# Altium PCB Terra.PcbDoc (part 3 of 7)
Units mm, origin at the board's own origin, x right, y up, seen from the top; angles counter-clockwise.
Board outline 126 x 65 mm, 6 copper layers (Top Layer, Int1 (Sign), Int2 (GND), Int3(PWR), Int4(Sign), Bottom Layer), stack 2.348 mm thick; 559 components, 490 nets, 2466 pads, 1027 vias.
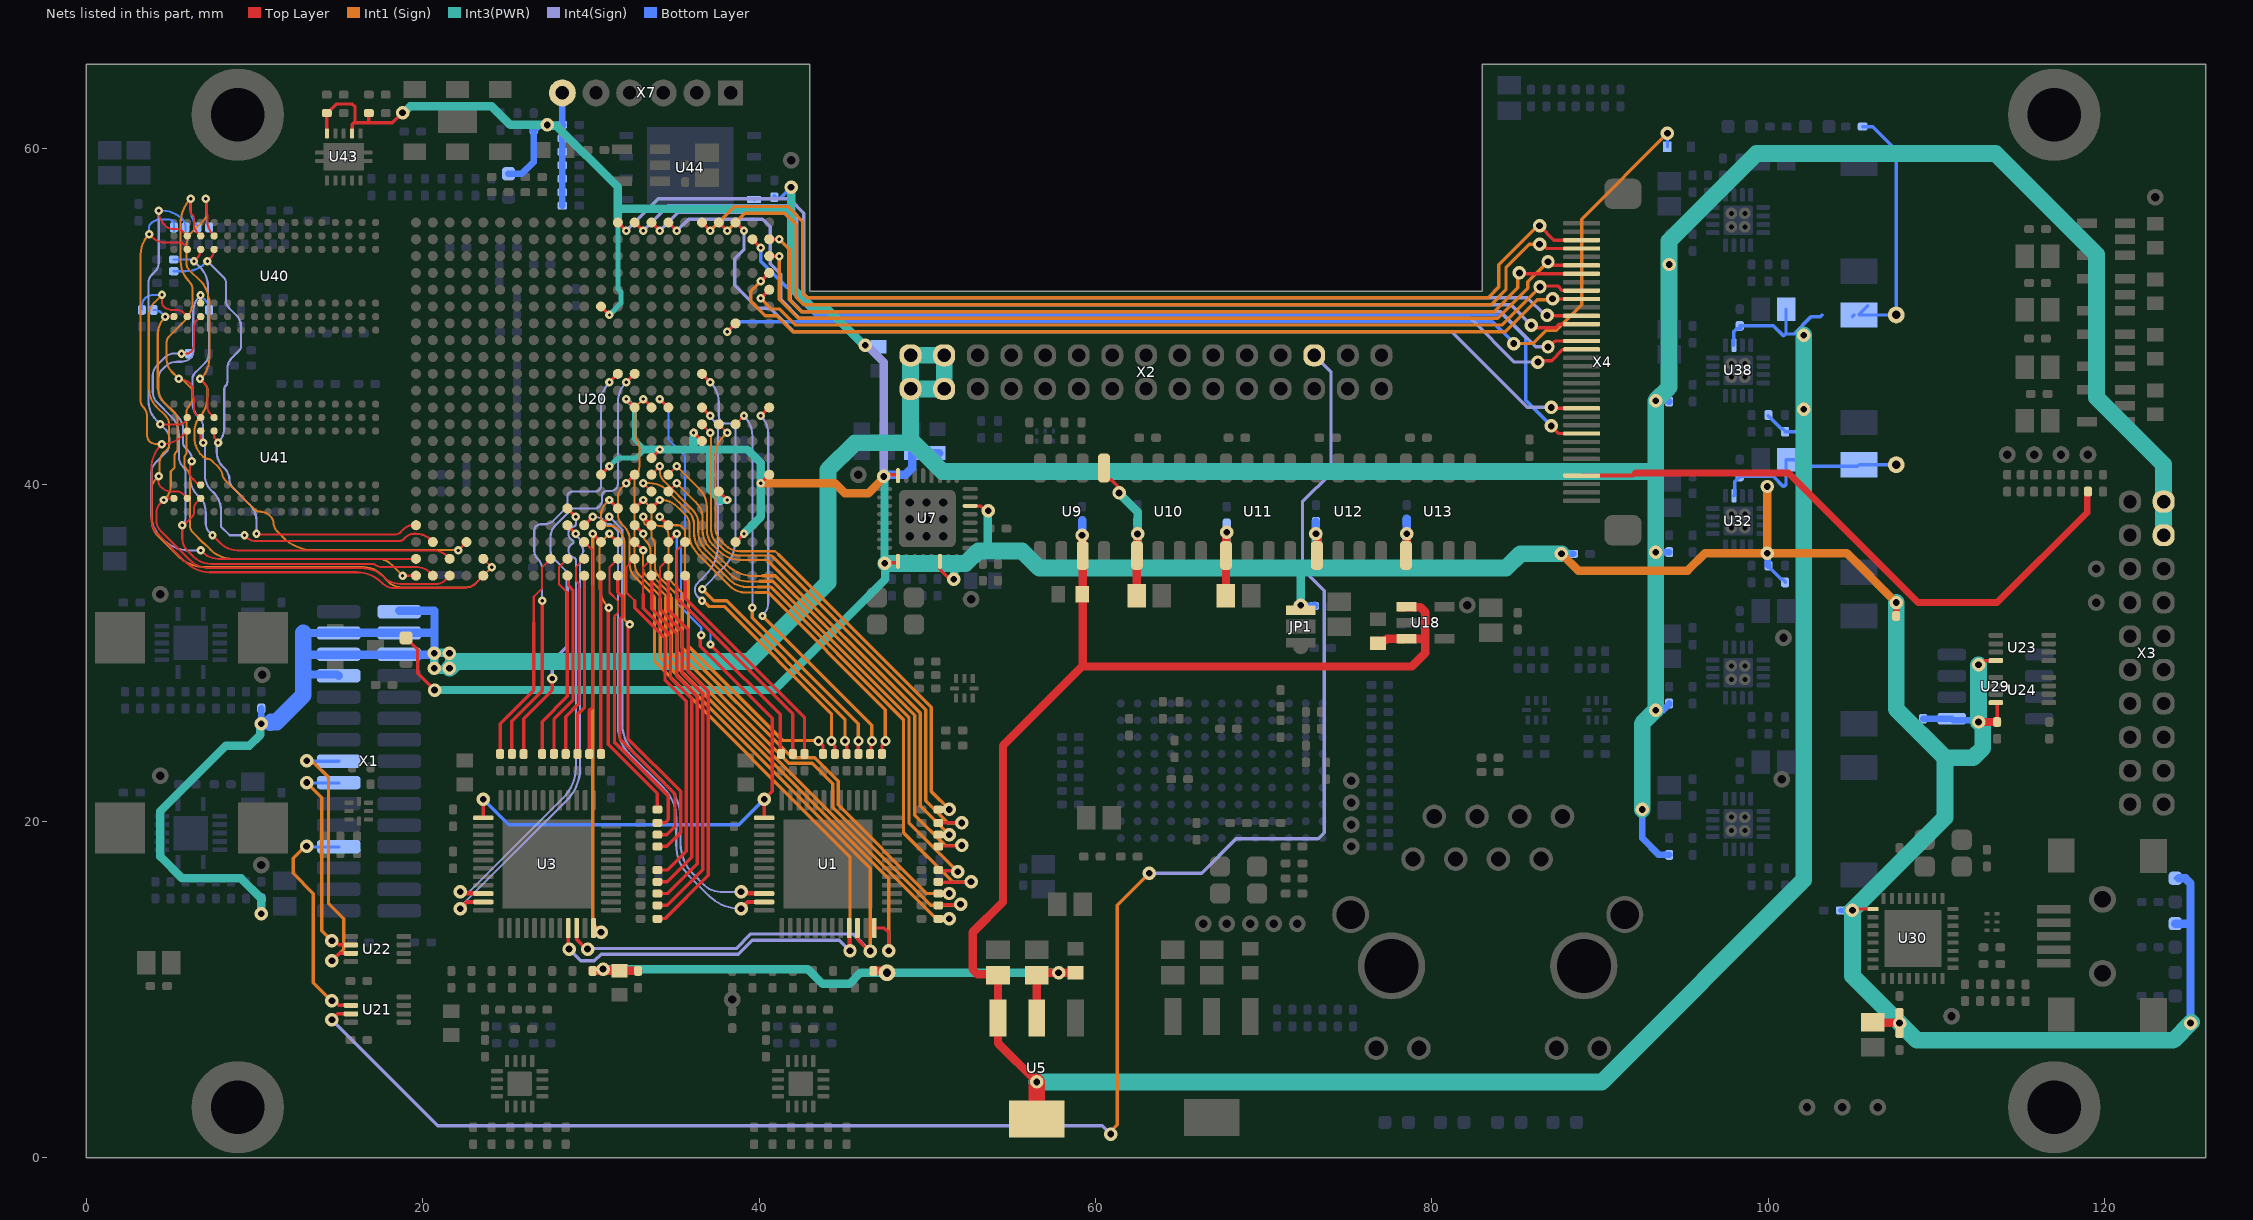
[diagram p7: the nets of this part, all layers, seen from the top]

## Via types
v1: diameter 0.5/0.5/0.5/0.5/0.5/0.5 (per signal layer), hole 0.2, Top Layer to Bottom Layer, tented both sides, 471 vias
v2: diameter 0.8, hole 0.4, Top Layer to Bottom Layer, tented both sides, 402 vias
v3: diameter 0.5/0.5/0.5/0.3/0.5/0.5 (per signal layer), hole 0.2, Top Layer to Bottom Layer, tented both sides, 87 vias
v4: diameter 0.9, hole 0.4, Top Layer to Bottom Layer, 32 vias
v5: diameter 0.6, hole 0.3, Top Layer to Bottom Layer, tented both sides, 26 vias
v6: diameter 0.6/0.6/0.6/0.6/0.6/0.6 (per signal layer), hole 0.3, Top Layer to Bottom Layer, tented both sides, 3 vias
v7: diameter 0.5/0.3/0.5/0.5/0.5/0.5 (per signal layer), hole 0.2, Top Layer to Bottom Layer, tented both sides, 3 vias
v8: diameter 0.8/0.8/0.8/0.5/0.8/0.8 (per signal layer), hole 0.4, Top Layer to Bottom Layer, tented both sides, 2 vias
v9: diameter 0.8/0.8/0.8/0.8/0.8/0.8 (per signal layer), hole 0.4, Top Layer to Bottom Layer, tented both sides, 1 vias

## Nets (pads, with @x,y where several pads share a name; then routed paths per layer and width w, separated by ;. In a path a pad name is that pad's centre, name@x,y a point inside that pad or via, vN(x,y) a via of type N, cw(c..) or ccw(c..) an arc to the next point about the centre after c; other vN are vias at no path point) (continued)
+3.3V: C41.1 C42.2 C43.2 C52.1 C53.1 C57.1 C58.1 C59.1 C60.1 C116.1 C117.1 C158.1 C159.2 C167.2 C208.1 C209.1 C210.1 C211.1 C212.1 C213.1 C214.1 C215.1 C216.1 C217.1 C218.1 HL5.1 HL6.1 HL10.1 HL11.1 JP1.3 L7.1 L14.1 R119.2 R126.1 R127.1 R192.1 R196.1 R203.1 R204.2 R205.2 R206.2 R207.1 R208.1 TP25.1 U7.6 U7.16 U7.25 U7.30 U9.5 U10.1 U11.1 U12.1 U13.1 U20.F12 U20.M14 U20.P18 U20.R15 U20.T12 U20.T22 U20.U19 U20.Y20 U23.8 U24.8 U29.1 U30.1 U32.14 U43.7 U43.10 U44.8 X7.6 | length 353.5
  Top Layer w0.2: U43.10@14.3,60.925 R196.1@14.3,61.925 ; R196.1@14.35,62.125 14.364,62.125 14.49,62.251 14.49,62.265 14.865,62.64 15.818,62.64 15.975,62.483 15.975,61.525 ; U43.7@15.8,60.925 15.8,61.425 15.9,61.525 15.975,61.525 ; R192.1@16.8,62.025 16.8,61.525 ; v2(18.8,62.125) 18.2,61.525 16.8,61.525 ; HL10.1@19,30.9 19.7,30.2 19.7,28.8 v2(20.7,27.8) ; U20.T12@30.6,40.6 v1(31.1,41.1) ; U20.F12@30.6,50.6 v1(31.1,50.1) ; v1(32.1,45.1) U20.M14@32.6,44.6 ; U20.R15@33.6,41.6 v1(34.1,42.1) ; v1(36.1,43.1) U20.P18@36.6,42.6 ; U20.U19@37.6,39.6 v1(38.1,39.1) ; U20.Y20@38.6,36.6 v1(39.1,37.1) ; v1(40.1,40.1) U20.T22@40.6,40.6 ; v2(47.4,40.5) 47.4,40.58 47.42,40.6 48.129,40.6 48.229,40.5 48.252,40.523 U7.16@48.252,40.548 ; v2(47.47,35.34) 47.49,35.36 48.229,35.36 48.252,35.383 U7.25@48.252,35.452 ; U7.30@50.749,35.452 50.759,35.443 50.759,34.959 51.336,34.382 v2(51.563,34.382) ; U7.6@52.548,38.749 52.557,38.74 53.186,38.74 53.466,38.46 v2(53.618,38.46) ; U9.5@60.505,41 60.505,40.541 60.749,40.296 60.921,40.296 61.4,39.818 v2(61.4,39.52) ; v2(105,14.7) 105.085,14.785 U30.1@106.223,14.785 ; 112.868,29.55 U23.8@113.525,29.55 ; U24.8@113.525,27.05 113.55,27.05 113.6,27 C217.1@113.6,25.9 ; 15.975,61.525 16.8,61.525
  Top Layer w0.4: C213.1@107.6,32.2 v2(107.6,33)
  Top Layer w0.5: C208.1@62.45,33.2 62.455,33.205 62.455,35.795 U10.1@62.46,35.8 62.48,35.82 62.48,37.06 v2(62.5,37.08) ; C41.1@67.75,33.2 67.755,33.205 67.755,35.795 U11.1@67.76,35.8 ; U11.1@67.76,35.9 67.78,35.92 67.78,37.16 v2(67.8,37.18) ; U12.1@73.16,35.8 73.2,35.84 v2@73.2,37.1 ; U13.1@78.46,35.8 78.5,35.84 v2(78.5,37.1) ; C158.1@106.2,8.05 106.225,8.025 v2@107.775,8.025 ; v2(112.5,25.9) C217.1@113.6,25.9
  Int1 (Sign) w0.2: v2@47.4,40.4 v2(47.4,40.5)
  Int1 (Sign) w0.5: v1(40.1,40.1) 44.5,40.1 45.1,39.5 46.5,39.5 47.343,40.343 47.343,40.361 47.381,40.4 v2@47.4,40.4 ; v2(87.7,35.9) 88.7,34.9 95.2,34.9 96.234,35.934 v2(99.934,35.934) ; v2(99.934,39.9) v2(99.934,35.934) ; v2(107.6,33) 104.666,35.934 v2(99.934,35.934)
  Int4(Sign) w0.5: v2(46.304,48.3) 46.385,48.3 46.535,48.15 46.55,48.15 47.4,47.3 v2(47.4,40.5)
  Int3(PWR) w0.3: v1(31.1,41.1) 31.6,41.6 32.7,41.6 33.2,42.1 32.58,42.72 32.58,44.62 v1(32.1,45.1) ; v1(31.1,50.1) 31.775,50.775 31.775,51.475 31.6,51.65 31.6,55.6 ; 31.6,55.675 31.66,55.615
  Int3(PWR) w0.5: v2(18.8,62.125) 18.868,62.125 19.243,62.5 24.1,62.5 25.2,61.4 v2(27.4,61.4) 27.457,61.343 27.957,61.343 31.6,57.7 31.6,55.675 ; v2(20.7,27.8) 40.9,27.8 47.5,34.4 47.5,35.31 v2(47.47,35.34) ; 31.625,56.425 41.9,56.425 ; 33.2,42.1 v1(34.1,42.1) 36.1,42.1 ; v1(36.1,43.1) 36.1,42.1 ; v1(38.1,39.1) 37.7,39.1 37.1,39.7 37.1,42.1 ; v1(39.1,37.1) 40.1,38.1 v1(40.1,40.1) 40.1,41.3 39.3,42.1 37.1,42.1 ; v2(41.9,57.7) 41.9,56.425 ; v2(46.304,48.3) 46.225,48.3 44.075,50.45 43.25,50.45 41.9,51.8 41.9,56.425 ; v2(47.4,40.5) 47.4,40.48 47.45,40.43 47.45,35.41 v2@47.5,35.36 ; v2(51.563,34.382) 51.6,34.42 51.6,35.325 ; 53.6,36.1 53.6,38.437 53.618,38.454 v2(53.618,38.46) ; v2(61.4,39.52) 61.4,39.5 62.5,38.4 v2(62.5,37.08) 62.5,35.05 ; 67.8,35.05 v2(67.8,37.18) ; v2(72.194,32.839) 72.2,32.845 72.2,35.05 ; 73.1,35.1 v2(73.1,37.1) ; 78.5,35.1 v2(78.5,37.1) ; 36.1,42.1 37.1,42.1
  Int3(PWR) w1: v2@47.525,35.325 51.6,35.325 52.275,35.325 53.025,36.075 55.625,36.075 56.65,35.05 62.5,35.05 67.8,35.05 72.2,35.05 84.4,35.05 85.25,35.9 v2(87.7,35.9) ; v2@104.946,14.671 110.5,20.225 110.5,23.775 ; v2(105,14.7) 105,10.8 108.825,6.975 124.075,6.975 v2@125.151,8.051 ; v2(107.6,33) 107.6,26.675 110.5,23.775 ; v2(112.5,25.9) v2(112.5,29.3) ; v2@112.525,25.9 112.525,25.875 112.75,25.65 112.75,24.361 112.164,23.775 110.5,23.775
  Bottom Layer w0.2: v2(18.8,62.125) v2@18.962,62.125 ; C218.1@37.6,39.1 v1(38.1,39.1) ; U44.8@39.695,56.96 39.735,57 40.8,57 R204.2@40.9,57.1 ; R204.2@40.9,57.186 41.038,57.047 41.157,57.047 41.247,57.047 v2(41.9,57.7) ; U32.14@97.95,39.339 98,39.389 98,40.193 98.129,40.322 98.162,40.322 98.3,40.461 C116.1@98.3,40.5 100.3,40.5 100.9,39.9 101.05,40.05 C117.1@101.05,41.5 102.1,41.5 102.48,41.12 102.48,40.98 ; R126.1@100,35.15 100.772,34.378 100.862,34.378 101,34.239 R127.1@101,34.2 ; 102.48,40.2 102.48,40.98 ; L7.1@105.3,41.1 102.6,41.1 102.48,40.98 ; L7.1@105.4,41.2 TP25.1@107.6,41.2 ; C210.1@109.2,26.1 C210.1@109.203,26.097 ; U29.1@110.898,26.097 U29.1@110.9,26.095 U29.1@110.995,26 ; HL6.1@124.191,16.609 124.391,16.609 HL6.1@124.4,16.6
  Bottom Layer w0.3: C215.1@104.3,14.7 v2(105,14.7)
  Bottom Layer w0.4: HL11.1@25.1,58.5 25.9,58.5 26.6,59.2 L14.1@26.6,61.1 26.64,61.1 26.94,61.4 v2(27.4,61.4) C159.2@28.3,61.4 C167.2@28.3,60.6 R205.2@28.3,59.8 R206.2@28.3,56.6 ; X7.6@28.3,63.3 28.3,61.443 C159.2@28.343,61.4 ; v2@72.223,32.81 C209.1@72.99,32.81 ; v2(87.7,35.9) C211.1@88.4,35.9 ; v2(99.934,35.934) 99.967,35.901 99.967,35.233 R126.1@100,35.2 ; C210.1@109.203,26.097 U29.1@110.898,26.097 ; U29.1@110.995,26 v2@112.7,26
  Bottom Layer w0.5: L14.1@26.6,61.1 L14.1@26.6,61.13 ; v2(47.4,40.5) 47.4,40.58 47.42,40.6 48.7,40.6 49.1,41 49.1,41.733 C43.2@49.1,41.889 ; C43.2@49.211,41.889 C42.2@50.7,41.889 ; v2(62.5,37.08) C57.1@62.5,37.76 ; v2(72.194,32.839) v2@72.223,32.81 ; C209.1@72.99,32.81 C209.1@73,32.8 ; v2(73.1,37.1) C58.1@73.1,37.8 ; v2(78.5,37.1) C60.1@78.5,38 ; HL5.1@124.191,13.909 124.991,13.909 ; HL6.1@124.4,16.6 124.807,16.6 125.1,16.307 v2(125.1,8)
  other v2: 107.8,8
+3.3VA: C32.1 C33.1 C34.1 C35.1 L1.1 L3.1 TP1.1 U5.2 | length 37
  Top Layer w0.2: C33.1@31.7,11.111 C33.1@31.711,11.1 ; TP1.1@47.3,11 TP1.1@47.4,11.1 ; C35.1@56.5,10.85 C35.1@56.639,10.989
  Top Layer w0.5: L3.1@30.1,11.1 C33.1@31.7,11.1 ; v2(30.72,11.209) 30.769,11.16 31.651,11.16 C33.1@31.7,11.111 ; C33.1@31.711,11.1 C34.1@32.8,11.1 ; L1.1@46.8,11.1 TP1.1@47.3,11.1 ; U5.2@56.5,8.3 C35.1@56.5,10.85 ; C35.1@56.639,10.989 C32.1@58.8,10.989
  Int3(PWR) w0.5: v2(30.72,11.209) 30.729,11.2 42.9,11.2 43.77,10.33 45.36,10.33 46.035,11.004 48.049,11.004 48.054,11 v2(57.8,11)
+5.0V: C31.1 C54.1 C55.1 C77.1 C150.1 C151.1 L13.1 R159.1 R160.2 R161.1 TP33.1 U5.3 U5.4 U9.3 U18.1 U18.3 U38.14 | length 177.8
  Top Layer w0.2: v2@102.1,48.7 v2@102.2,48.8
  Top Layer w0.5: v2@56.45,4.55 54.2,6.8 U5.3@54.2,8.3 C31.1@54.2,10.85 54.15,10.9 52.993,10.9 52.7,11.193 52.7,13.4 54.5,15.2 54.5,24.5 59.2,29.2 59.235,29.2 ; v2(59.2,37) 59.218,36.982 59.218,35.717 59.235,35.7 59.235,29.2 ; C77.1@76.8,30.589 76.956,30.745 77.223,30.745 77.325,30.847 U18.3@78.489,30.847 78.498,30.838 79.6,30.838 79.6,32.43 79.307,32.723 78.518,32.723 U18.1@78.489,32.752 ; 79.6,30.672 79.6,30 78.8,29.2 59.235,29.2
  Top Layer w1: U5.4@56.5,2.3 v2(56.5,4.5)
  Int3(PWR) w1: v2(56.5,4.5) 90.1,4.5 102.1,16.5 v2(102.1,44.5) v2(102.1,48.9)
  Bottom Layer w0.2: U38.14@97.95,48.289 97.95,49.1 98.122,49.272 98.361,49.272 C150.1@98.361,49.373 ; C150.1@98.3,49.45 100.3,49.45 100.9,48.85 101.016,48.966 ; R159.1@100,44.1 100.772,43.328 100.861,43.328 R161.1@101,43.189 ; R161.1@101,43.15 101.601,43.15 102.1,43.649 v2(102.1,44.5) ; C151.1@101.05,50.45 101.05,49 101.016,48.966 ; 103.2,50.1 103.085,49.985 102.535,49.985 101.516,48.966 101.016,48.966 ; L13.1@105,50 L13.1@105.1,50.1 ; L13.1@105.4,50.1 TP33.1@107.6,50.1 ; L13.1@105.4,50.15 L13.1@105.9,50.65 ; R160.2@105.6,61.3 106.2,61.3 107.6,59.9 107.6,50.604
  Bottom Layer w0.5: v2(59.2,37) C54.1@59.2,37.9
+12V_INPUT: R125.2 R128.2 R137.2 R140.2 R147.2 R151.2 R158.2 X1.23 X1.25 X1.26 X1.27 X1.28 X1.30 X2.1 X2.2 X2.3 X2.4 X3.1 X3.3 | length 249.4
  Int3(PWR) w0.5: v2(10.4,14.5) 10.4,15.4 9.199,16.601 5.699,16.601 4.4,17.9 4.4,20.6 8.3,24.5 9.7,24.5 10.343,25.143 10.343,25.743 v2(10.4,25.8) ; v2(20.687,29.995) v2(20.687,29.095) ; v2@20.757,30.017 v2@21.657,30.017 ; v2@21.557,29.017 v2@20.717,29.017 ; v2(21.587,29.095) 21.587,29.5 v2(21.587,29.995) ; v2(20.687,29.095) 20.717,29.065 v2@20.717,29.017 ; v2(20.687,29.095) 20.687,29.017 v2@20.717,29.017
  Int3(PWR) w1: v2(21.587,29.095) 21.992,29.5 39.4,29.5 44.1,34.2 44.1,40.9 45.7,42.5 49,42.5 ; X2.3@51.138,45.562 X2.3@51,45.7 ; v2(92.5,20.7) 92.5,25.8 v2(93.3,26.6) v2(93.3,36) 93.3,40.8 ; 93.3,42.2 93.3,40.8 ; 93.3,42.3 v2(93.3,45) 94.1,45.8 v2(94.1,53.1) 94.1,54.5 99.3,59.7 113.5,59.7 119.5,53.7 119.5,45.2 123.5,41.2 X3.1@123.5,39 X3.3@123.5,37 ; 49,42.5 49.2,42.5 50.9,40.8 93.3,40.8 ; 49,42.5 X2.1@49,45.7 ; X2.1@49,45.7 X2.2@49,47.7 X2.4@51,47.7 X2.3@51,45.7 ; X2.1@49,45.7 X2.3@51,45.7
  Bottom Layer w0.4: v2(10.4,14.5) R140.2@10.4,15.4 ; v2(10.4,25.8) R128.2@10.4,26.7 ; v2(92.5,20.7) 92.5,19 93.5,18 R137.2@94.1,18 ; v2(93.3,26.6) 93.75,26.6 94.1,26.95 R147.2@94.1,27 ; v2(93.3,36) R125.2@94.1,36 ; v2(93.3,45) 94.05,45 R158.2@94.1,44.95 ; v2(94.1,53.1) R151.2@94.1,53.9
  Bottom Layer w0.5: v2(10.4,25.8) 10.457,25.857 10.957,25.857 ; 12.9,28.723 14.927,28.723 X1.23@15,28.65 ; 12.9,29.89 X1.25@15,29.89 ; 12.9,31.19 X1.27@15,31.19 ; 13.5,29.9 v2@20.3,29.9 ; X1.27@13.8,31.2 20.6,31.2 ; X1.26@18.6,29.91 v2@20.407,29.91 ; X1.28@18.6,31.21 20.7,31.21 ; X1.30@18.6,32.51 20.7,32.51 20.7,31.21 ; v2@20.418,29.951 v2@20.7,30.234 ; v2@20.7,30.203 v2@20.7,30.234 ; v2@20.71,30.244 v2@20.7,30.234 ; X2.2@49,47.7 X2.1@49,45.7 X2.3@51,45.7 X2.4@51,47.7 ; v2@20.7,30.234 20.7,31.21
  Bottom Layer w1: 10.957,25.857 11,25.9 11.3,25.9 12.9,27.5 12.9,28.723 12.9,29.89 12.9,31.19
ADC0_CLK_N: U1.35 U20.W11 | length 29.8
  Top Layer w0.2: U20.W11@29.6,37.6 v1(30.1,38.1)
  Top Layer w0.254: v2(38.925,14.8) 39.326,15.2 U1.35@40.3,15.2
  Int4(Sign) w0.125: v1(30.1,38.1) cw(c30.1,36.556) 30.613,38.012 cw(c30.571,37.895) 30.688,37.94 ccw(c31.1,38.1) 30.8,37.775 ccw(c31.1,38.1) 31.131,37.659 cw(c31.14,37.534) 31.187,37.65 31.191,37.648 31.57,37.269 cw(c31.483,37.18) 31.608,37.18 31.608,25.6 ccw(c33.803,25.6) 32.251,24.048 34.326,21.972 cw(c32.53,20.176) 35.07,20.176 35.07,18.613 ccw(c37.735,18.613) 35.848,16.731 ccw(c37.735,18.613) 35.851,16.729 36.999,15.581 ccw(c38.883,17.465) 37.002,15.578 ccw(c38.883,17.465) 37.198,15.4 ccw(c38.883,17.465) 37.739,15.058 ccw(c38.883,17.465) 38.88,14.8 ccw(c38.883,17.465) 38.883,14.8 v2(38.925,14.8)
ADC0_CLK_P: U1.34 U20.W12 | length 28.3
  Top Layer w0.2: U20.W12@30.6,37.6 v1(31.1,38.1)
  Top Layer w0.254: v2(38.925,15.8) 39.012,15.713 40.287,15.713 U1.34@40.3,15.7
  Int4(Sign) w0.125: v1(31.1,38.1) 31.863,37.337 31.863,25.77 ccw(c34.214,25.77) 32.551,24.108 32.842,23.817 34.317,22.342 34.544,22.114 cw(c32.66,20.23) 34.546,22.113 cw(c32.66,20.23) 35.325,20.23 35.325,18.667 ccw(c37.865,18.667) 36.067,16.873 ccw(c37.865,18.667) 36.069,16.871 36.745,16.195 ccw(c37.699,17.149) 37.699,15.8 v2(38.925,15.8)
ADC0_CSn: U1.48 U20.Y14 | length 32.6
  Top Layer w0.2: U20.Y14@32.6,36.6 v1(33.1,36.1) ; U1.48@46.85,13.65 47.45,13.65 47.7,13.4 v2(47.7,12.3)
  Int1 (Sign) w0.125: v1(33.1,36.1) 33.1,35.052 ccw(c33.802,35.052) 33.305,34.556 34.44,33.421 34.44,33.3
  Int1 (Sign) w0.2: 34.44,33.3 34.44,29.827 47.7,16.567 v2(47.7,12.3)
ADC0_D0: R3.2 U20.W15 | length 34.8
  Top Layer w0.2: v1(33.1,38.1) U20.W15@33.6,37.6 ; R3.2@50.65,15 50.683,15.033 51.942,15.033 v2(51.975,15.065)
  Int1 (Sign) w0.125: v1(33.1,38.1) 33.1,37.952 ccw(c33.527,37.952) 33.225,37.65 33.529,37.346 cw(c33.359,37.175) 33.6,37.175 33.6,36.977 ccw(c34.027,36.977) 33.645,36.785 cw(c33.278,36.418) 33.736,36.663 cw(c33.278,36.418) 33.798,36.418 33.798,35.183 ccw(c34.758,35.183) 34.079,34.504 35.1,33.482 35.1,33.4
  Int1 (Sign) w0.2: 35.1,33.4 35.1,30.1 41.76,23.44 43.16,23.44 44.37,22.23 44.37,20.83 50.2,15 51.909,15 v2(51.975,15.065)
ADC0_D1: R4.2 U20.V14 | length 34
  Top Layer w0.125: R4.2@50.65,15.7 50.651,15.701 51.296,15.701 v2(51.297,15.703)
  Top Layer w0.2: U20.V14@32.6,38.6 v1(33.1,39.1)
  Int1 (Sign) w0.125: v1(33.1,39.1) 33.317,38.883 cw(c32.634,38.2) 33.6,38.2 33.6,37.966 ccw(c33.941,37.966) 33.7,37.725 33.711,37.714 ccw(c34.125,38.128) 34.023,37.552 ccw(c34.125,38.128) 34.125,37.542 34.156,37.542 cw(c34.156,37.056) 34.463,37.434 ; 34.425,37.475 cw(c34.003,37.053) 34.463,37.434 ; 35.43,33.4 35.43,33.57 34.918,34.082 cw(c35.686,34.85) 34.6,34.85 34.6,37.053 ccw(c34.003,37.053) 34.463,37.434
  Int1 (Sign) w0.2: 35.43,33.4 35.43,30.3 41.96,23.77 43.297,23.77 44.7,22.367 44.7,20.967 49.967,15.7 51.294,15.7 v2(51.297,15.703)
ADC0_D2: R5.2 U20.U15 | length 36.4
  Top Layer w0.125: v1@33.1,40.1 U20.U15@33.6,39.6
  Top Layer w0.2: R5.2@50.65,16.4 50.68,16.37 52.57,16.37 v2(52.6,16.4)
  Int1 (Sign) w0.125: v1@33.306,40.1 33.475,40.1 cw(c33.475,38.591) 34.541,39.659 35.842,38.358 ; 35.843,38.357 cw(c35.159,37.675) 36.125,37.675 36.125,37.175 ccw(c37.822,37.175) 36.622,35.975 38.255,34.342 ccw(c39.25,35.338) 39.25,33.93 39.908,33.93
  Int1 (Sign) w0.2: 39.908,33.93 40.677,33.93 48.582,26.025 48.582,19.327 51.539,16.37 52.57,16.37 v2(52.6,16.4)
  other v1: 33.1,40.1
ADC0_D3: R6.2 U20.T15 | length 34.4
  Top Layer w0.125: U20.T15@33.6,40.6 v1(34.1,41.1) ; R6.2@50.65,17.1 R6.2@50.7,17.05 ; v8@51.75,17.05 v8(51.8,17)
  Top Layer w0.2: R6.2@50.7,17.05 v8@51.75,17.05
  Int1 (Sign) w0.125: v1(34.1,41.1) 34.1,40.775 ccw(c34.859,40.775) 34.322,40.238 36.04,38.52 cw(c35.22,37.7) 36.38,37.7 36.38,37.25 ccw(c38.004,37.25) 36.856,36.102 38.279,34.679 ccw(c39.29,35.69) 39.29,34.26 40.021,34.26
  Int1 (Sign) w0.2: 40.021,34.26 40.814,34.26 48.912,26.162 48.912,19.888 v8(51.8,17)
ADC0_D4: R9.2 U20.U16 | length 32.4
  Top Layer w0.125: U20.U16@34.6,39.6 v1(35.1,40.1)
  Top Layer w0.2: R9.2@50.65,18.5 50.68,18.53 52.01,18.53 v8(52.04,18.56)
  Int1 (Sign) w0.125: v1(35.1,40.1) 36.235,38.965 ; 36.236,38.964 cw(c35.271,38) 36.635,38 36.635,37.283 ccw(c38.083,37.283) 37.059,36.259 ; 37.059,36.259 38.067,35.252 ccw(c39.7,36.885) 39.7,34.575 40.109,34.575 ccw(c40.109,34.648) 40.16,34.596 ccw(c40.2,34.715) 40.2,34.59
  Int1 (Sign) w0.2: 40.2,34.59 40.951,34.59 49.242,26.298 49.242,20.367 51.049,18.56 v8(52.04,18.56)
ADC0_D5: R11.2 U20.T16 | length 31
  Top Layer w0.125: U20.T16@34.6,40.6 v1(35.1,41.1) ; R11.2@50.65,19.2 v2@51.2,19.2
  Int1 (Sign) w0.125: v1(35.1,41.1) 36.437,39.763 cw(c35.345,38.67) 36.89,38.67 36.89,37.283 ccw(c38.083,37.283) 37.238,36.44 37.677,36.002 ccw(c37.857,36.182) 37.706,35.976 cw(c37.633,35.876) 37.715,35.97 ccw(c38.857,37.282) 38.846,35.543 ccw(c38.85,35.798) 38.85,35.542 40.465,35.542 40.554,35.454
  Int1 (Sign) w0.2: 40.554,35.454 49.572,26.435 49.572,20.928 v2(51.3,19.2)
ADC0_D6: R13.2 U20.N18 | length 33.3
  Top Layer w0.125: U20.N18@36.6,43.6 v1(37.1,43.1)
  Top Layer w0.2: R13.2@50.65,19.9 v2(52.04,19.9)
  Int1 (Sign) w0.125: v1(37.1,43.1) 37.145,43.055 37.145,37.283 ccw(c38.083,37.283) 37.42,36.62 37.857,36.182 cw(c37.79,36.077) 37.873,36.17 ccw(c38.857,37.282) 38.85,35.798 40.736,35.798 40.867,35.667
  Int1 (Sign) w0.2: 40.867,35.667 49.902,26.631 49.902,21.207 51.209,19.9 v2(52.04,19.9)
ADC0_D7: R15.2 U20.N19 | length 31.1
  Top Layer w0.125: U20.N19@37.6,43.6 v1(38.1,43.1) ; R15.2@50.65,20.7 v2@51.2,20.7
  Int1 (Sign) w0.125: 37.988,36.413 37.713,36.688 cw(c38.467,37.442) 37.4,37.442 37.4,41.711 cw(c39.064,41.711) 37.887,42.887 v1(38.1,43.1) ; 37.988,36.412 ccw(c38.857,37.282) 38.857,36.053 40.948,36.053 41.155,35.845
  Int1 (Sign) w0.2: 41.155,35.845 50.232,26.768 50.232,21.768 v2(51.3,20.7)
ADC0_D8: R16.2 U20.V15 | length 22.7
  Top Layer w0.2: U20.V15@33.6,38.6 v1(34.1,39.1) ; R16.2@47.3,24 47.3,24.478 47.5,24.678 v5(47.5,24.78)
  Int1 (Sign) w0.125: v1(34.1,39.1) 34.161,39.1 cw(c34.161,37.736) 35.125,38.701 ; 35.125,38.7 35.625,38.2 cw(c35.035,37.61) 35.87,37.61 35.87,36.9 ccw(c36.944,36.9) 36.127,36.203 cw(c36.032,36.122) 36.139,36.185 ccw(c37.822,37.175) 36.439,35.797 ccw(c37.822,37.175) 36.442,35.794 36.631,35.606 38.268,33.968 ccw(c39.157,34.857) 38.477,33.8 ccw(c39.157,34.857) 39.157,33.6 39.794,33.6
  Int1 (Sign) w0.2: 39.794,33.6 40.541,33.6 47.5,26.641 47.5,24.833 47.483,24.817 47.483,24.797 v5(47.5,24.78)
ADC0_D9: R17.2 U20.M22 | length 23.8
  Top Layer w0.2: v7(40.1,44.1) U20.M22@40.6,44.6 ; R17.2@46.6,24 46.65,24.05 46.65,24.73 v5(46.7,24.78)
  Int1 (Sign) w0.2: v1(40.2,32.2) 46.7,25.7 v5(46.7,24.78)
  Int4(Sign) w0.125: v7(40.1,44.1) cw(c39.032,43.032) 40.542,43.032 40.542,33.027 cw(c39.373,33.027) v1(40.2,32.2)
ADC0_D10: R18.2 U20.N20 | length 23.6
  Top Layer w0.125: U20.N20@38.6,43.6 v1(39.1,44.1)
  Top Layer w0.2: R18.2@45.9,24 v5(45.9,24.78)
  Int1 (Sign) w0.2: v1(39.6,32.7) 39.6,32.1 45.9,25.8 v5(45.9,24.78)
  Int4(Sign) w0.125: v1(39.1,44.1) cw(c37.893,42.893) 39.6,42.893 v1(39.6,32.7)
ADC0_D11: R23.2 U20.K18 | length 28.3
  Top Layer w0.2: U20.K18@36.6,46.6 v1(37.1,46.1) ; v5(45.1,24.78) 45.1,24.672 45.2,24.572 R23.2@45.2,24
  Int1 (Sign) w0.2: v1(36.617,33.79) 37.241,33.159 ccw(c37.383,33.3) 37.383,33.1 38.067,33.1 45.1,26.067 v5(45.1,24.78)
  Int4(Sign) w0.125: v1(36.617,33.79) 37.901,35.099 ccw(c36.214,36.786) 37.933,35.131 ccw(c36.214,36.786) 38.6,36.786 38.6,43.223 ccw(c38.173,43.223) 38.475,43.525 ccw(c38.155,43.205) 38.155,43.657 37.973,43.657 cw(c37.973,43.973) 37.75,43.75 cw(c38.112,44.112) 37.6,44.112 37.6,44.893 ccw(c35.893,44.893) 37.102,46.098 ccw(c35.893,44.893) v1(37.1,46.1)
ADC0_D12: R24.2 U20.M18 | length 25.3
  Top Layer w0.2: U20.M18@36.6,44.6 v1(37.1,44.1) ; v5(44.3,24.78) 44.3,24.678 44.5,24.478 R24.2@44.5,24
  Int1 (Sign) w0.2: v1(36.6,33.1) 36.681,33.1 37.011,32.77 37.93,32.77 44.3,26.4 44.3,25.4 44.3,24.8 v5(44.3,24.78)
  Int4(Sign) w0.125: 36.338,33.362 cw(c36.73,33.754) 36.211,33.558 cw(c36.73,33.754) 36.176,33.754 cw(c36.617,33.79) 36.283,34.081 36.489,34.316 36.819,34.646 ccw(c35.023,36.442) 37.534,36.064 ccw(c35.023,36.442) 37.563,36.442 37.563,43.025 ccw(c36.23,43.025) 37.172,43.967 v1@37.1,44.039 ; 36.338,33.362 v1(36.6,33.1)
ADC0_D13: R25.2 U20.W16 | length 20.4
  Top Layer w0.2: v1(34.1,38.1) U20.W16@34.6,37.6 ; v5(43.53,24.78) 43.53,24.762 43.8,24.492 R25.2@43.8,24
  Int1 (Sign) w0.125: v1(34.1,38.1) 34.35,37.85 ccw(c34.954,38.454) 34.954,37.6 35.15,37.6 cw(c35.15,37.178) 35.449,37.476 35.512,37.413 cw(c35.298,37.2) 35.6,37.2 35.6,34.883 ccw(c36.283,34.883) 35.8,34.4
  Int1 (Sign) w0.2: 35.8,34.4 35.8,30.4 41.4,24.8 43.51,24.8 v5(43.53,24.78)
ADC0_D14: R26.2 U20.AB17 | length 13.5
  Top Layer w0.2: U20.AB17@35.6,34.6 35.6,33.246 42.7,26.146 R26.2@42.7,24
ADC0_D15: R28.2 U20.Y17 | length 15.7
  Top Layer w0.125: 35.1,34 35.1,36.1 U20.Y17@35.6,36.6
  Top Layer w0.2: 35.1,34 35.1,33.28 42,26.38 R28.2@42,24
ADC0_DCO: R30.2 U20.W14 | length 32.1
  Top Layer w0.125: R30.2@50.65,14.2 v2@51.2,14.2
  Top Layer w0.2: U20.W14@32.55,37.65 v1(33.1,37.1)
  Int1 (Sign) w0.125: v1(33.1,37.1) ccw(c33.764,37.1) 33.163,36.817 ccw(c33.764,37.1) 33.294,36.631 cw(c32.696,36.032) 33.483,36.342 cw(c32.696,36.032) 33.506,36.278 ccw(c33.626,36.314) 33.51,36.267 cw(c33.1,36.1) 33.543,36.1 cw(c33.1,36.1) 33.542,36.077 ccw(c33.667,36.07) 33.542,36.065 cw(c32.696,36.032) 33.543,36.032 33.543,35.024 ccw(c34.374,35.024) 33.785,34.436 34.77,33.452 34.77,33.3
  Int1 (Sign) w0.2: 34.77,33.3 34.77,29.963 50.533,14.2 v2(51.3,14.2)
ADC0_OR: R29.2 U20.M16 | length 25
  Top Layer w0.2: v7(34.1,45.1) U20.M16@34.6,44.6 ; v1(37.106,30.506) 41.258,26.354 41.258,24.042 R29.2@41.3,24
  Bottom Layer w0.125: v7(34.1,45.1) 34.6,44.6 34.6,42.7 35.6,41.7 35.6,36.9 35.355,36.655 35.355,33.081 37.106,31.329 v1(37.106,30.506)
ADC1_CLK_N: U3.35 U20.W10 | length 27.6
  Top Layer w0.2: U20.W10@28.6,37.6 v3(29.1,37.1)
  Top Layer w0.254: v2(22.225,14.8) 22.626,15.2 U3.35@23.6,15.2
  Int4(Sign) w0.125: v2(22.225,14.8) cw(c22.466,14.8) 22.296,14.971 28.574,21.249 ccw(c26.69,23.134) 29.355,23.134 29.355,35.679 cw(c29.48,35.679) 29.396,35.771 ccw(c29.1,36.1) 29.502,35.914 ccw(c29.1,36.1) 29.396,36.429 ; v3(29.1,37.1) 29.125,37.075 29.125,37.007 ccw(c29.25,37.007) 29.201,36.892 cw(c29.1,36.657) 29.355,36.657 29.355,36.521 ccw(c29.48,36.521) 29.396,36.429